# Altium PCB final.PcbDoc
Units mm, origin at the board's own origin, x right, y up, seen from the top; angles counter-clockwise.
Board outline 100 x 70 mm, 2 copper layers (Top Layer, Bottom Layer); 150 components, 157 nets, 618 pads, 2 vias.
Unrouted connection lines stored in the file: 316.
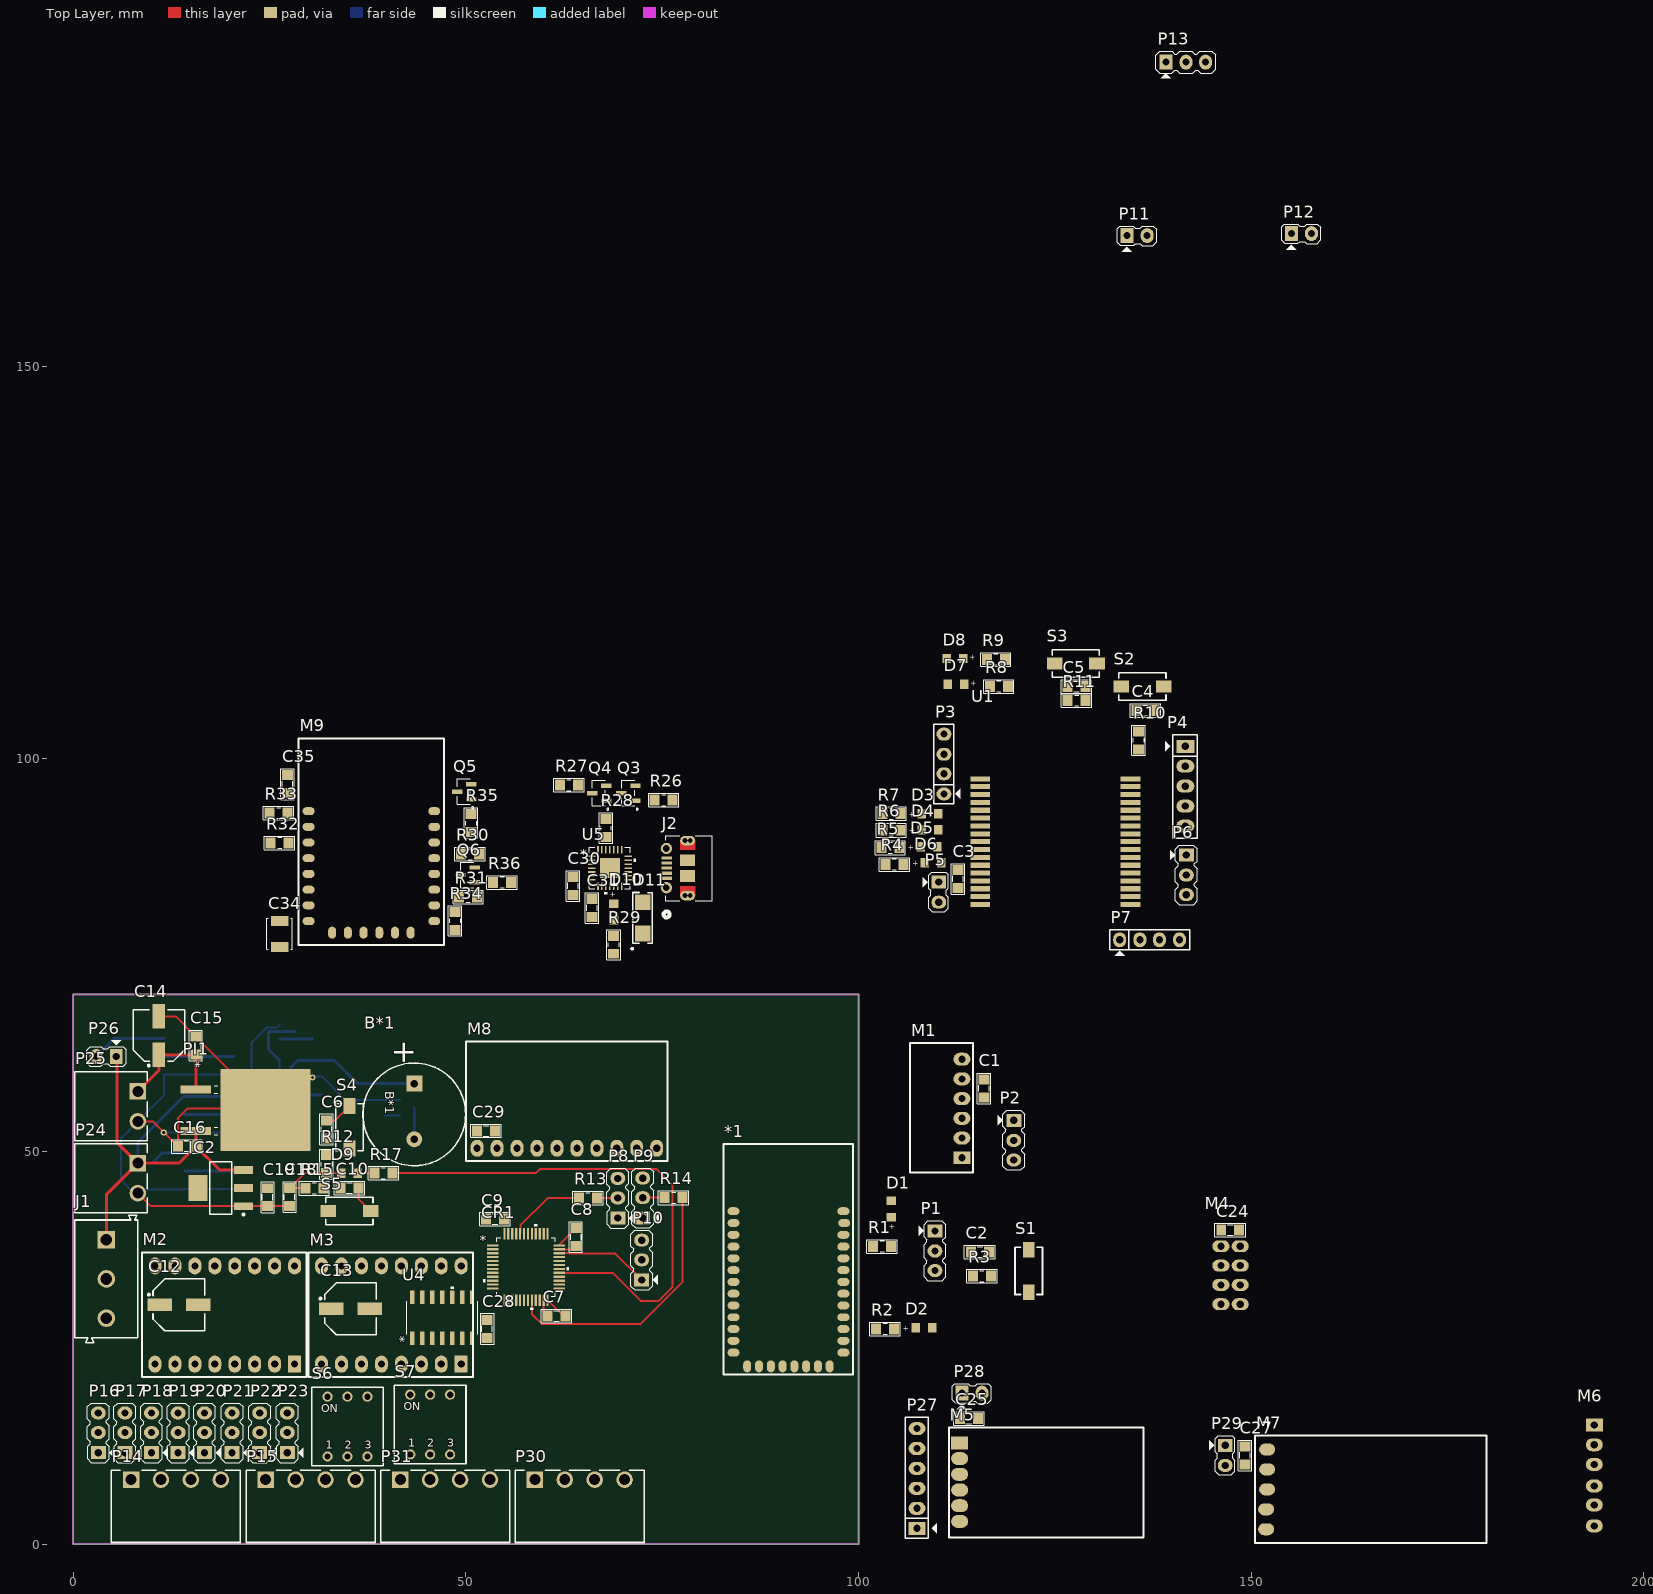
[diagram p0: Top Layer view]
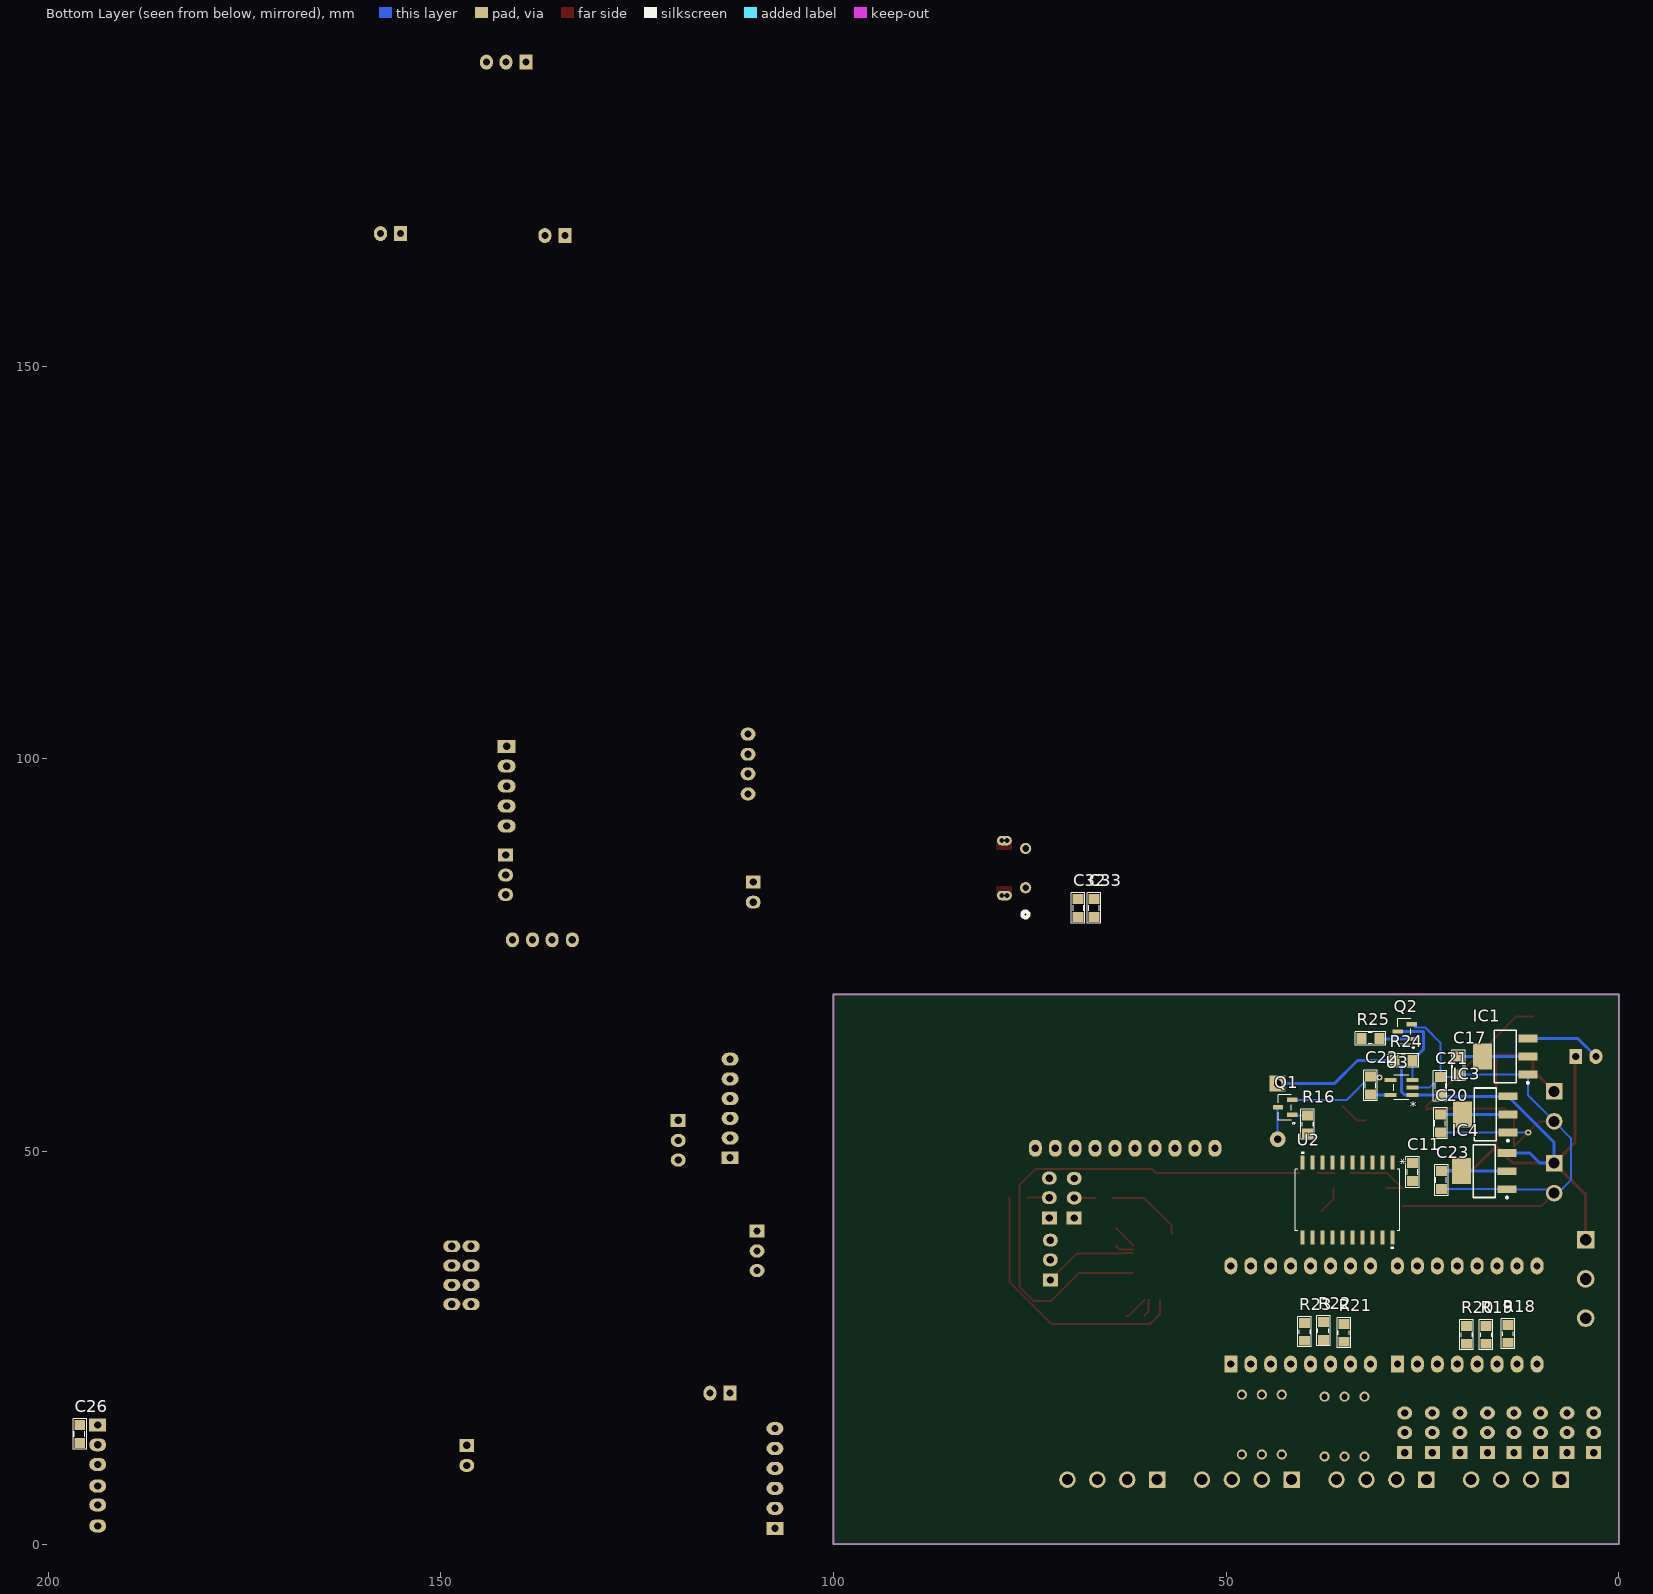
[diagram p1: Bottom Layer view, seen from below]

## Layer stack, top to bottom
Top Solder: solder mask 0.0102, Solder Resist, Dk 3.5
Top Layer: signal copper 0.0356
Dielectric 1: dielectric 0.32, FR-4, Dk 4.8
Bottom Layer: signal copper 0.0356
Bottom Solder: solder mask 0.0102, Solder Resist, Dk 3.5

## Board outline
0,0 100,0 100,70 0,70

## Design rules (kind name [scope] priority, off if disabled: settings)
Clearance [All] p1: gap=0.203 ignorepadtopadclearanceinfootprint=FALSE
DiffPairsRouting [All] p1: maxlimit=0.254 minlimit=0.254 mostfreqgap=0.254 toplayer_minwidth=0.381 toplayer_maxwidth=0.381 toplayer_prefwidth=0.381 bottomlayer_minwidth=0.381 bottomlayer_maxwidth=0.381 bottomlayer_prefwidth=0.381 maxuncoupledlength=12.7
Height [All] p1: minheight=0 maxheight=127 prefheight=12.7
PolygonConnect [All] p1: connectstyle=Relief reliefconductorwidth=0.254 reliefentries=4 polygonreliefangle="90 Angle" airgapwidth=0.254
RoutingVias [All] p1: holewidth=0.4 width=0.8 viastyle="Through Hole" minholewidth=0.4 minwidth=0.8 maxholewidth=0.4 maxwidth=0.8
SolderMaskExpansion [All] p1: expansion=0.102
UnRoutedNet [All] p1: checkbadconnections=TRUE
Width [All] p1: maxlimit=0.381 minlimit=0.203 preferedwidth=0.254
27 further rules are at their usual default settings.

## Classes and differential pairs
component class Wifi: C30 C31 C32 C33 C34 C35 D10 D11 J2 M9 Q3 Q4 Q5 Q6 R26 R27 R28 R29 R30 R31 R32 R33 R34 R35 R36 U5
component class Sensor: C28 C29 M8 P30 P31 U4
component class RF: C24 C25 C26 C27 M4 M5 M6 M7 P27 P28 P29
component class Power_Supply: C14 C15 C16 C17 C18 C19 C20 C21 C22 C23 IC1 IC2 IC3 IC4 P24 P25 P26 PI1 Q2 R24 R25 U3
component class "Motor Control": C11 C12 C13 M2 M3 P11 P12 P13 P14 P15 P16 P17 P18 P19 P20 P21 P22 P23 R18 R19 R20 R21 R22 R23 S6 S7 U2
component class MCU: B*1 C6 C7 C8 C9 C10 CR1 D9 J1 P8 P9 P10 Q1 R12 R13 R14 R15 R16 R17 S4 S5
component class Decawave: C3 C4 C5 D3 D4 D5 D6 D7 D8 P3 P4 P5 P6 P7 R4 R5 R6 R7 R8 R9 R10 R11 S2 S3 U1
component class Blutooth: *1 C1 C2 D1 D2 M1 P1 P2 R1 R2 R3 S1
differential pair USB_D: +USB_D_P -USB_D_N

## Components (designator, comment, footprint, x,y, rotation, side; value= is the part's Value field where it differs from the comment)
*1 "HC05-06 SMD" "HC05-06 SMD" 84.074,24.401 r0 top
B*1 "Buzzer" BUZZER 43.434,56.642 r270 top
C1 "Cap-100nF-50V-0805" CAP-SM-0805 115.951,56.896 r90 top value=100nF/50V
C2 "Cap-100nF-50V-0805" CAP-SM-0805 114.3,37.211 r0 top value=100nF/50V
C3 "Cap-100nF-50V-0805" CAP-SM-0805 112.649,83.566 r90 top value=100nF/50V
C4 "Cap-100nF-50V-0805" CAP-SM-0805 135.382,106.172 r0 top value=100nF/50V
C5 "Cap-100nF-50V-0805" CAP-SM-0805 126.619,109.22 r0 top value=100nF/50V
C6 "Cap-100nF-50V-0805" CAP-SM-0805 32.258,53.975 r270 top value=100nF/50V
C7 "Cap-100nF-50V-0805" CAP-SM-0805 60.408,29.083 r0 top value=100nF/50V
C8 "Cap-100nF-50V-0805" CAP-SM-0805 64.008,40.259 r270 top value=100nF/50V
C9 "Cap-100nF-50V-0805" CAP-SM-0805 52.578,41.402 r0 top value=100nF/50V
C10 "Cap-100nF-50V-0805" CAP-SM-0805 36.322,45.339 r180 top value=100nF/50V
C11 "Cap-100nF-50V-0805" CAP-SM-0805 26.289,46.228 r90 bottom value=100nF/50V
C12 "Cap-Al-100uF-16V-D6L5" CAP-SM-AL-SIZE-D-D6L6 13.462,30.48 r0 top value=100uF/16V
C13 "Cap-Al-100uF-16V-D6L5" CAP-SM-AL-SIZE-D-D6L6 35.306,29.972 r0 top value=100uF/16V
C14 "Cap-Al-100uF-16V-D6L5" CAP-SM-AL-SIZE-D-D6L6 10.922,64.77 r90 top value=100uF/16V
C15 "Cap-10uF-50V-0805" CAP-SM-0805 15.621,64.643 r270 top value=10uF/50V
C16 "Cap-10uF-50V-0805" CAP-SM-0805 13.335,50.673 r0 top value=10uF/50V
C17 "Cap-10uF-50V-0805" CAP-SM-0805 20.447,59.817 r90 bottom value=10uF/50V
C18 "Cap-10uF-50V-0805" CAP-SM-0805 27.559,43.053 r90 top value=10uF/50V
C19 "Cap-10uF-50V-0805" CAP-SM-0805 24.765,43.039 r90 top value=10uF/50V
C20 "Cap-10uF-50V-0805" CAP-SM-0805 22.733,52.451 r90 bottom value=10uF/50V
C21 "Cap-100nF-50V-0805" CAP-SM-0805 22.733,59.486 r270 bottom value=100nF/50V
C22 "Cap-10uF-50V-0805" CAP-SM-0805 31.623,59.563 r270 bottom value=10uF/50V
C23 "Cap-10uF-50V-0805" CAP-SM-0805 22.606,45.212 r90 bottom value=10uF/50V
C24 "Cap-100nF-50V-0805" CAP-SM-0805 146.177,40.005 r0 top value=100nF/50V
C25 "Cap-100nF-50V-0805" CAP-SM-0805 115.189,16.002 r180 top value=100nF/50V
C26 "Cap-100nF-50V-0805" CAP-SM-0805 195.961,12.878 r90 bottom value=100nF/50V
C27 "Cap-100nF-50V-0805" CAP-SM-0805 149.187,10.16 r90 top value=100nF/50V
C28 "Cap-100nF-50V-0805" CAP-SM-0805 52.718,26.289 r90 top value=100nF/50V
C29 "Cap-100nF-50V-0805" CAP-SM-0805 53.721,52.632 r180 top value=100nF/50V
C30 "Cap-10uF-50V-0805" CAP-SM-0805 63.627,82.677 r90 top value=10uF/50V
C31 "Cap-100nF-50V-0805" CAP-SM-0805 66.04,79.883 r90 top value=100nF/50V
C32 "Cap-10uF-50V-0805" CAP-SM-0805 68.834,82.169 r270 bottom value=10uF/50V
C33 "Cap-100nF-50V-0805" CAP-SM-0805 66.826,82.169 r270 bottom value=100nF/50V
C34 "TAJB107M006RNJ" CAP_SM_TAN 26.289,77.724 r270 top value=100uF/16V
C35 "Cap-100nF-50V-0805" CAP-SM-0805 27.305,97.917 r270 top value=100nF/50V
CR1 "Part Number: STM32F103C8T6" LQFP-48 57.658,35.306 r0 top value=Value
D1 "Yellow, 2V" WL-SMCW_0805 104.14,42.672 r270 top
D2 "Red, 2V" WL-SMCW_0805 108.331,27.559 r180 top
D3 "Red, 2V" WL-SMCW_0805 109.093,93.016 r180 top
D4 "Red, 2V" WL-SMCW_0805 109.093,90.962 r180 top
D5 "Yellow, 2V" WL-SMCW_0805 108.966,88.826 r180 top
D6 "Bright Green, 2V" WL-SMCW_0805 109.499,86.772 r180 top
D7 "Red, 2V" WL-SMCW_0805 112.395,109.474 r0 top
D8 "Red, 2V" WL-SMCW_0805 112.268,112.776 r0 top
D9 "Red, 2V" WL-SMCW_0805 35.179,47.244 r180 top
D10 "Red, 2V" WL-SMCW_0805 68.834,80.484 r90 top
D11 "SS14" SS14 72.517,79.756 r90 top
IC1 "AMS1117" SOT223 14.478,62.103 r0 bottom value=LM317
IC2 "AMS1117" SOT223 18.796,45.339 r180 top value=LM317
IC3 "AMS1117" SOT223 17.018,54.737 r0 bottom value=LM317
IC4 "AMS1117" SOT223 17.145,47.498 r0 bottom value=LM317
J1 "691111710003" 691111710003 4.225,33.782 r270 top
J2 "105017-0001" CONN_105017-0001 78.402,86.09 r90 top
M1 "HC05-06 DIP" "HC05-06 DIP" 113.157,49.209 r0 top
M2 "DRV8825" DRV8825 28.194,22.933 r90 top
M3 "DRV8825" DRV8825 49.403,22.933 r90 top
M4 "NRF24L01" NRF24L01 146.13,37.94 r180 top
M5 "LC" LC12S 124.206,7.874 r180 top
M6 "HOLYBRO" HOLYBRO 193.675,15.164 r180 top
M7 "HC12" HC12 152.019,12.065 r180 top
M8 "GY9250" GY9250 51.435,50.419 r270 top
M9 "ESP8266" ESP8266 29.974,79.345 r0 top
P1 "Header 3" JP3 109.728,37.363 r270 top
P2 "Header 3" JP3 119.761,51.435 r270 top
P3 "Header 4" JP4 110.871,98.069 r90 top
P4 "Header 5" JP5 141.605,101.6 r270 top
P5 "Header 2" JP2 110.21,84.31 r270 top
P6 "Header 3" JP3 141.732,85.217 r270 top
P7 "Header 4" JP4 135.788,76.962 r0 top
P8 "Header 3" JP3 69.342,44.069 r90 top
P9 "Header 3" JP3 72.517,44.094 r90 top
P10 "Header 3" JP3 72.39,36.195 r90 top
P11 "Header 2" JP2 134.175,166.623 r0 top
P12 "Header 2" JP2 155.105,166.877 r0 top
P13 "Header 3" JP3 141.668,188.707 r0 top
P14 "691322310004" 691322310004 13.081,4.826 r0 top
P15 "691322310004" 691322310004 30.226,4.826 r0 top
P16 "Header 3" JP3 3.201,14.199 r90 top
P17 "Header 3" JP3 6.587,14.199 r90 top
P18 "Header 3" JP3 9.974,14.199 r90 top
P19 "Header 3" JP3 13.361,14.199 r90 top
P20 "Header 3" JP3 16.722,14.199 r90 top
P21 "Header 3" JP3 20.235,14.199 r90 top
P22 "Header 3" JP3 23.749,14.199 r90 top
P23 "Header 3" JP3 27.263,14.199 r90 top
P24 "691322310002" 691322310002 4.826,46.609 r270 top
P25 "691322310002" 691322310002 4.826,55.753 r270 top
P26 "Header 2" JP2 5.486,62.103 r180 top
P27 "Header 6" JP6 107.442,2.032 r90 top
P28 "Header 2" JP2 113.157,19.241 r0 top
P29 "Header 2" JP2 146.685,12.598 r270 top
P30 "691322310004" 691322310004 64.495,4.825 r0 top
P31 "691322310004" 691322310004 47.36,4.825 r0 top
PI1 "L7805" L7805_SMD 24.498,55.272 r270 top
Q1 "MMBT3904-1AM" SOT23_NEX 42.545,55.626 r90 bottom
Q2 "MMBT3904-1AM" SOT23_NEX 27.305,65.278 r90 bottom
Q3 "IRLML6402TRPBF" SOT23_NEX 70.65,95.631 r90 top
Q4 "IRLML6402TRPBF" SOT23_NEX 66.929,95.631 r90 top
Q5 "S8050" SOT23_NEX 49.728,95.822 r90 top
Q6 "S8050" SOT23_NEX 50.165,85.217 r90 top
R1 "Res-470-0805" RES-SM-0805 101.854,37.901 r0 top value=470
R2 "Res-470-0805" RES-SM-0805 102.235,27.401 r0 top value=470
R3 "Res-10k-0805" RES-SM-0805 116.84,34.163 r180 top value=10K
R4 "Res-1.2K-0805" RES-SM-0805 105.717,86.574 r180 top value=1.2K
R5 "Res-1.2K-0805" RES-SM-0805 105.184,88.682 r180 top value=1.2K
R6 "Res-1.2K-0805" RES-SM-0805 105.311,90.908 r180 top value=1.2K
R7 "Res-1.2K-0805" RES-SM-0805 105.311,93.016 r180 top value=1.2K
R8 "Res-1K-0805" RES-SM-0805 116.713,109.22 r0 top value=1K
R9 "Res-1K-0805" RES-SM-0805 116.332,112.649 r0 top value=1K
R10 "Res-10k-0805" RES-SM-0805 135.636,103.505 r270 top value=10K
R11 "Res-10k-0805" RES-SM-0805 128.905,107.442 r180 top value=10K
R12 "Res-10k-0805" RES-SM-0805 32.258,49.53 r270 top value=10K
R13 "Res-100K-0805" RES-SM-0805 64.389,44.069 r0 top value=100K
R14 "Res-100K-0805" RES-SM-0805 75.311,44.12 r0 top value=100K
R15 "Res-10k-0805" RES-SM-0805 31.844,45.325 r180 top value=10K
R16 "Res-15K-0805" RES-SM-0805 39.624,52.324 r90 bottom value=15K
R17 "Res-1K-0805" RES-SM-0805 40.64,47.244 r180 top value=1K
R18 "Res-1K-0805" RES-SM-0805 14.097,25.654 r90 bottom value=1K
R19 "Res-1K-0805" RES-SM-0805 16.891,25.527 r90 bottom value=1K
R20 "Res-1K-0805" RES-SM-0805 19.378,25.527 r90 bottom value=1K
R21 "Res-1K-0805" RES-SM-0805 34.984,25.781 r90 bottom value=1K
R22 "Res-1K-0805" RES-SM-0805 37.592,26.035 r90 bottom value=1K
R23 "Res-1K-0805" RES-SM-0805 40.002,25.908 r90 bottom value=1K
R24 "Res-4.7K-0805" RES-SM-0805 26.289,61.595 r0 bottom value=4.7K
R25 "Res-100K-0805" RES-SM-0805 32.766,64.403 r180 bottom value=100K
R26 "Res-1K-0805" RES-SM-0805 74.041,94.742 r0 top value=1K
R27 "Res-1K-0805" RES-SM-0805 64.262,96.647 r180 top value=1K
R28 "Res-1K-0805" RES-SM-0805 67.826,90.043 r90 top value=1K
R29 "Res-1K-0805" RES-SM-0805 68.826,77.47 r270 top value=1K
R30 "Res-12K-0805" RES-SM-0805 51.689,87.884 r180 top value=12K
R31 "Res-12K-0805" RES-SM-0805 51.435,82.423 r180 top value=12K
R32 "Res-12K-0805" RES-SM-0805 25.146,89.281 r0 top value=12K
R33 "Res-12K-0805" RES-SM-0805 25.019,93.091 r0 top value=12K
R34 "Res-12K-0805" RES-SM-0805 48.641,78.232 r90 top value=12K
R35 "Res-12K-0805" RES-SM-0805 50.673,90.678 r90 top value=12K
R36 "Res-12K-0805" RES-SM-0805 53.467,84.264 r0 top value=12K
S1 "434113043826" 434113043826 121.666,34.798 r90 top
S2 "434113043826" 434113043826 136.144,109.22 r180 top
S3 "434113043826" 434113043826 127.668,112.141 r0 top
S4 "434113043826" 434113043826 35.179,53.086 r90 top
S5 "434113043826" 434113043826 35.179,42.418 r0 top
S6 "418117170903" 418117170903 34.925,14.986 r0 top
S7 "418117170903" 418117170903 45.455,15.24 r0 top
U1 "DWM1001" DWM1001 115.49,97.456 r0 top
U2 "74HC245D,652" 74HC245D,652 34.544,43.815 r270 bottom
U3 "XC6204B332MR" XC6204/05_SOT-00 27.68,58.166 r0 bottom
U4 "74HC14D,652" 74HC14D,652 46.99,28.83 r90 top
U5 "CP2102-GM" CP2102-GM 68.326,86.09 r0 top

## Footprints (in the part's own frame and the unit in brackets; to place one, negate y for a bottom-side part, rotate by r counter-clockwise, add the part's x,y. Pads: shape width x height; smd on the part's side, far side on the other; paste and mask are expansions set on the pad)
74HC14D,652 [mil]
  rect 67x21 smd paste+0 mask+0: 1(-102.5,150) 2(-102.5,100) 3(-102.5,50) 4(-102.5,0) 5(-102.5,-50) 6(-102.5,-100) 7(-102.5,-150) 8(102.5,-150) 9(102.5,-100) 10(102.5,-50) 11(102.5,0) 12(102.5,50) 13(102.5,100) 14(102.5,150)
  silkscreen extent -84,-177 156,177, body extent -124,-172 120,172, height 69
74HC245D,652 [mil]
  rect 71x21 smd paste+0 mask+0: 1(-188,225) 2(-188,175) 3(-188,125) 4(-188,75) 5(-188,25) 6(-188,-25) 7(-188,-75) 8(-188,-125) 9(-188,-175) 10(-188,-225) 11(188,-225) 12(188,-175) 13(188,-125) 14(188,-75) 15(188,-25) 16(188,25) 17(188,75) 18(188,125) 19(188,175) 20(188,225)
  silkscreen extent -244,-261 244,261, body extent -209,-256 209,256, height 104
418117170903 [mm] "2.54 mm compact THT with flat actuator, 3p"
  round 1.3 hole 0.8: 1(-2.54,-3.81) 2(0,-3.81) 3(2.54,-3.81) 4(2.54,3.81) 5(0,3.81) 6(-2.54,3.81)
  silkscreen extent -4.56,-5 4.56,5, body extent -4.46,-4.95 4.46,4.95, height 5.75
434113043826 [mm] "SMD Tact Switch, body 6x3.5mm"
  rect 2x1.5 smd: 1(-2.7,0) 2(2.7,0)
  silkscreen extent -3,-1.75 3,1.75, body extent -3.65,-1.75 3.65,1.75, height 4.3
691111710003 [mm] "5,00mm - modular - green - Horizontal entry with pressure clamp - 10,0mm height - 03p"
  rect 2.25x2.25 hole 1.5: 1(-5,0)
  round 2.25 hole 1.5: 2(0,0) 3(5,0)
  silkscreen extent -8.1,-4 8.1,4, body extent -8.1,-4 8.1,4, height 11.05
691322310002 [mm] "Horizontal PCB Header, pitch 3.81mm, 02p"
  rect 2.1x2.1 hole 1.4: 1(-1.905,3.4)
  round 2.1 hole 1.4: 2(1.905,3.4)
  silkscreen extent -4.4,-4.6 4.41,4.6, body extent -4.4,-4.6 4.41,4.6, height 7.25
691322310004 [mm] "Horizontal PCB Header, pitch 3.81mm, 04p"
  rect 2.1x2.1 hole 1.4: 1(-5.715,3.4)
  round 2.1 hole 1.4: 2(-1.905,3.4) 3(1.905,3.4) 4(5.715,3.4)
  silkscreen extent -8.21,-4.6 8.22,4.6, body extent -8.21,-4.6 8.21,4.6, height 7.25
BUZZER [mil]
  rect 80x80 hole 36: 1(-78.73,0)
  round 80 hole 36: 2(200,0)
  silkscreen extent -182,-257 332,257, body extent -176,-237 296,235, height 335
CAP-SM-0805 [mil]
  rect 50x55 smd: 1(0,0) 2(90,0)
  silkscreen extent -32,-34 122,33, body extent 4,-27 86,27, height 30
CAP-SM-AL-SIZE-D-D6L6 [mm] "WH6.6"
  rect 3.15x1.6 smd: 1(-2.45,0) 2(2.45,0)
  silkscreen extent -3.95,-3.3 3.3,3.3, body extent -3.9,-3.4 3.9,3.4, height 5.7